# Altium PCB PCB1.PcbDoc
Units mm, origin at the board's own origin, x right, y up, seen from the top; angles counter-clockwise.
Board outline 100 x 100 mm, 2 copper layers (Top Layer, Bottom Layer); 83 components, 64 nets, 298 pads, 47 vias.
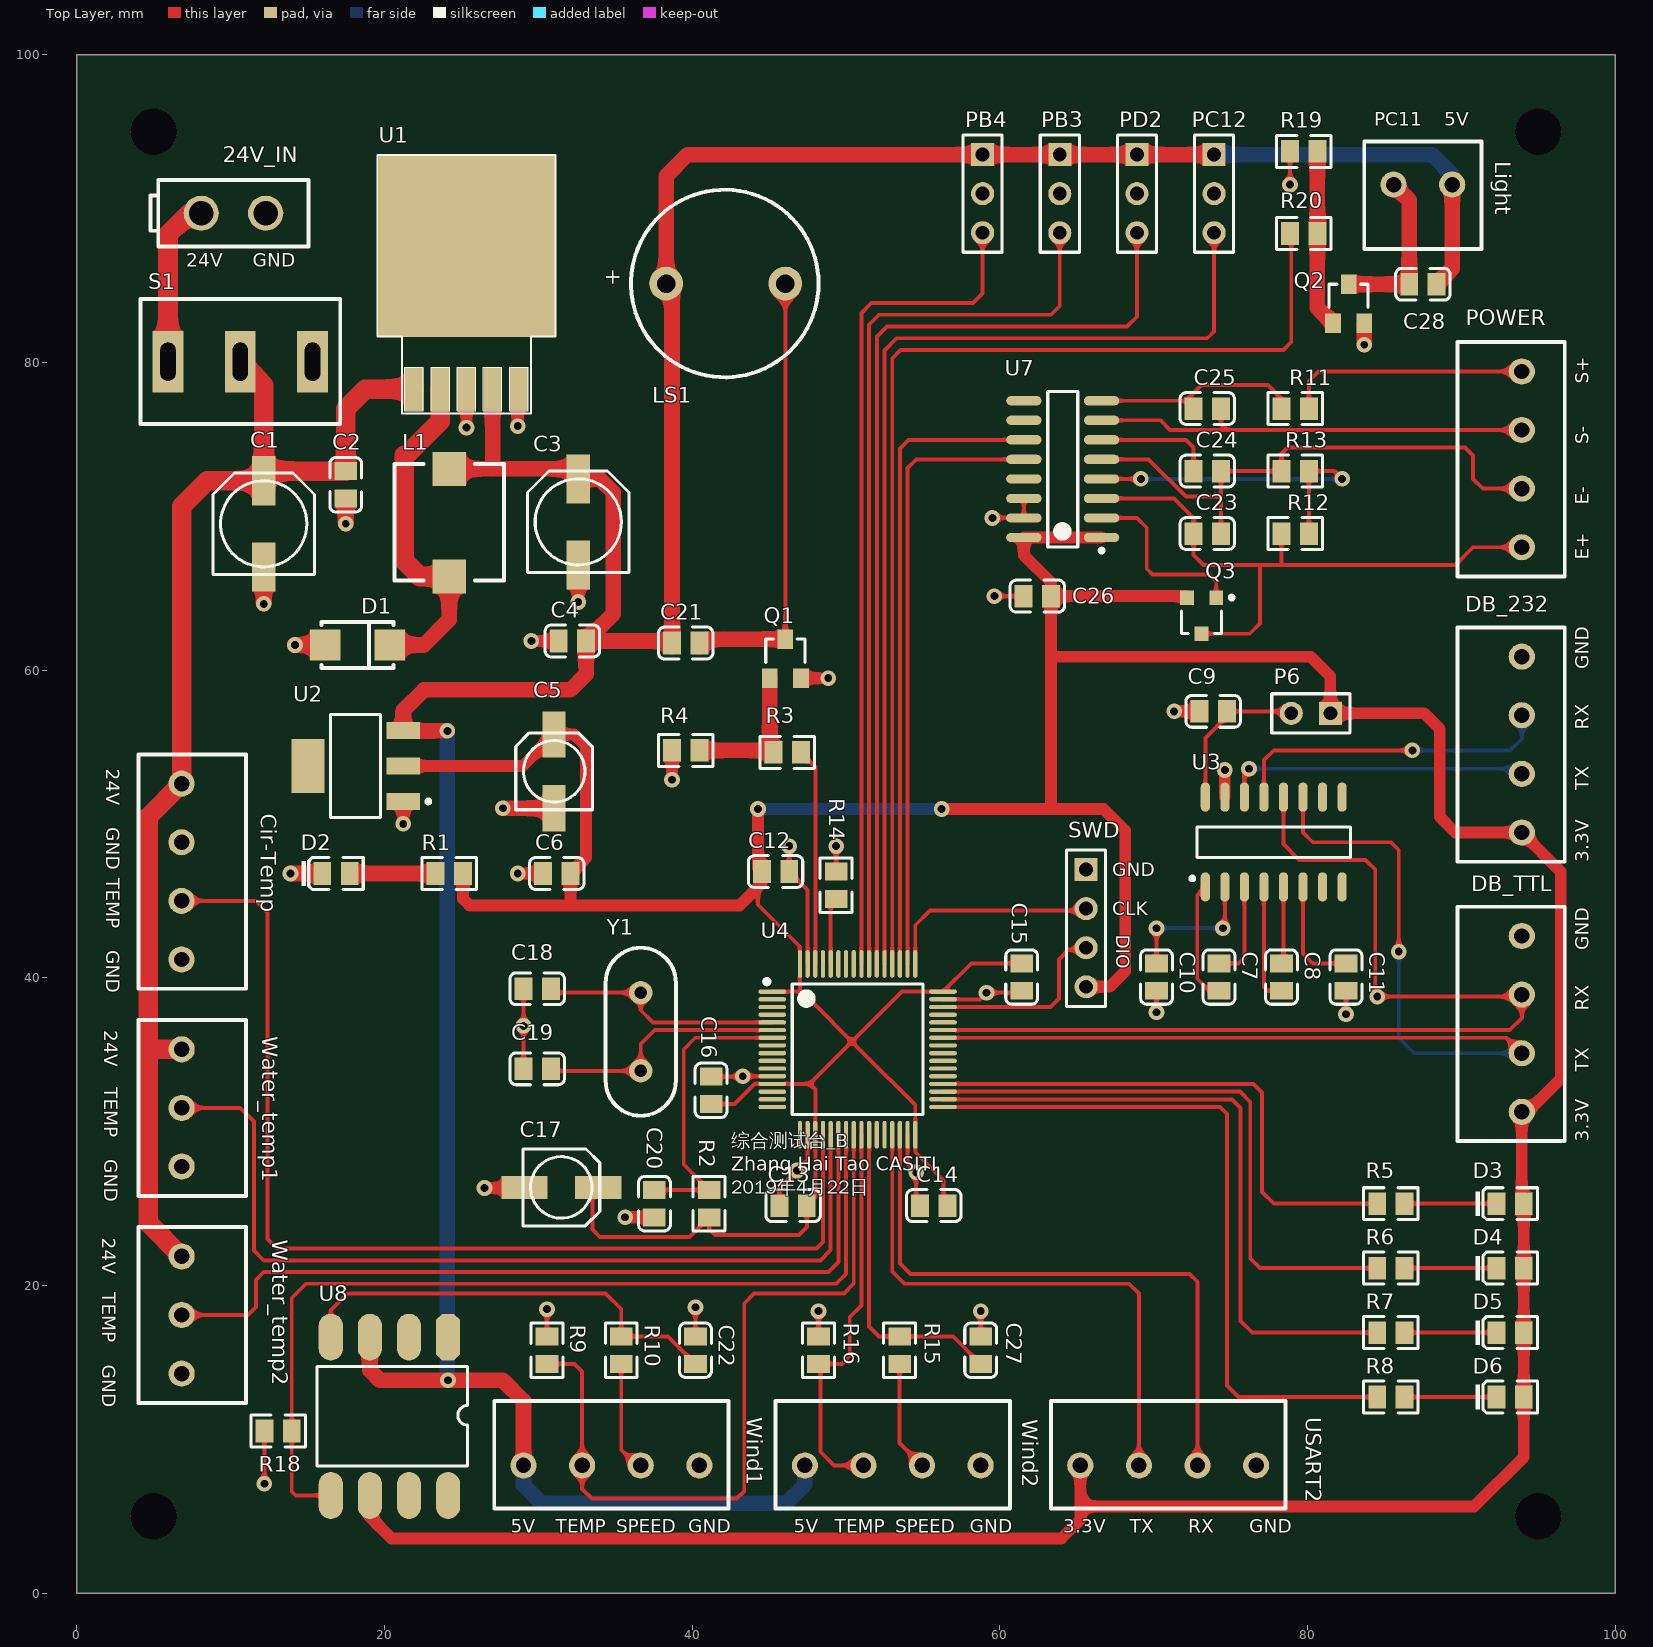
[diagram p0: Top Layer view]
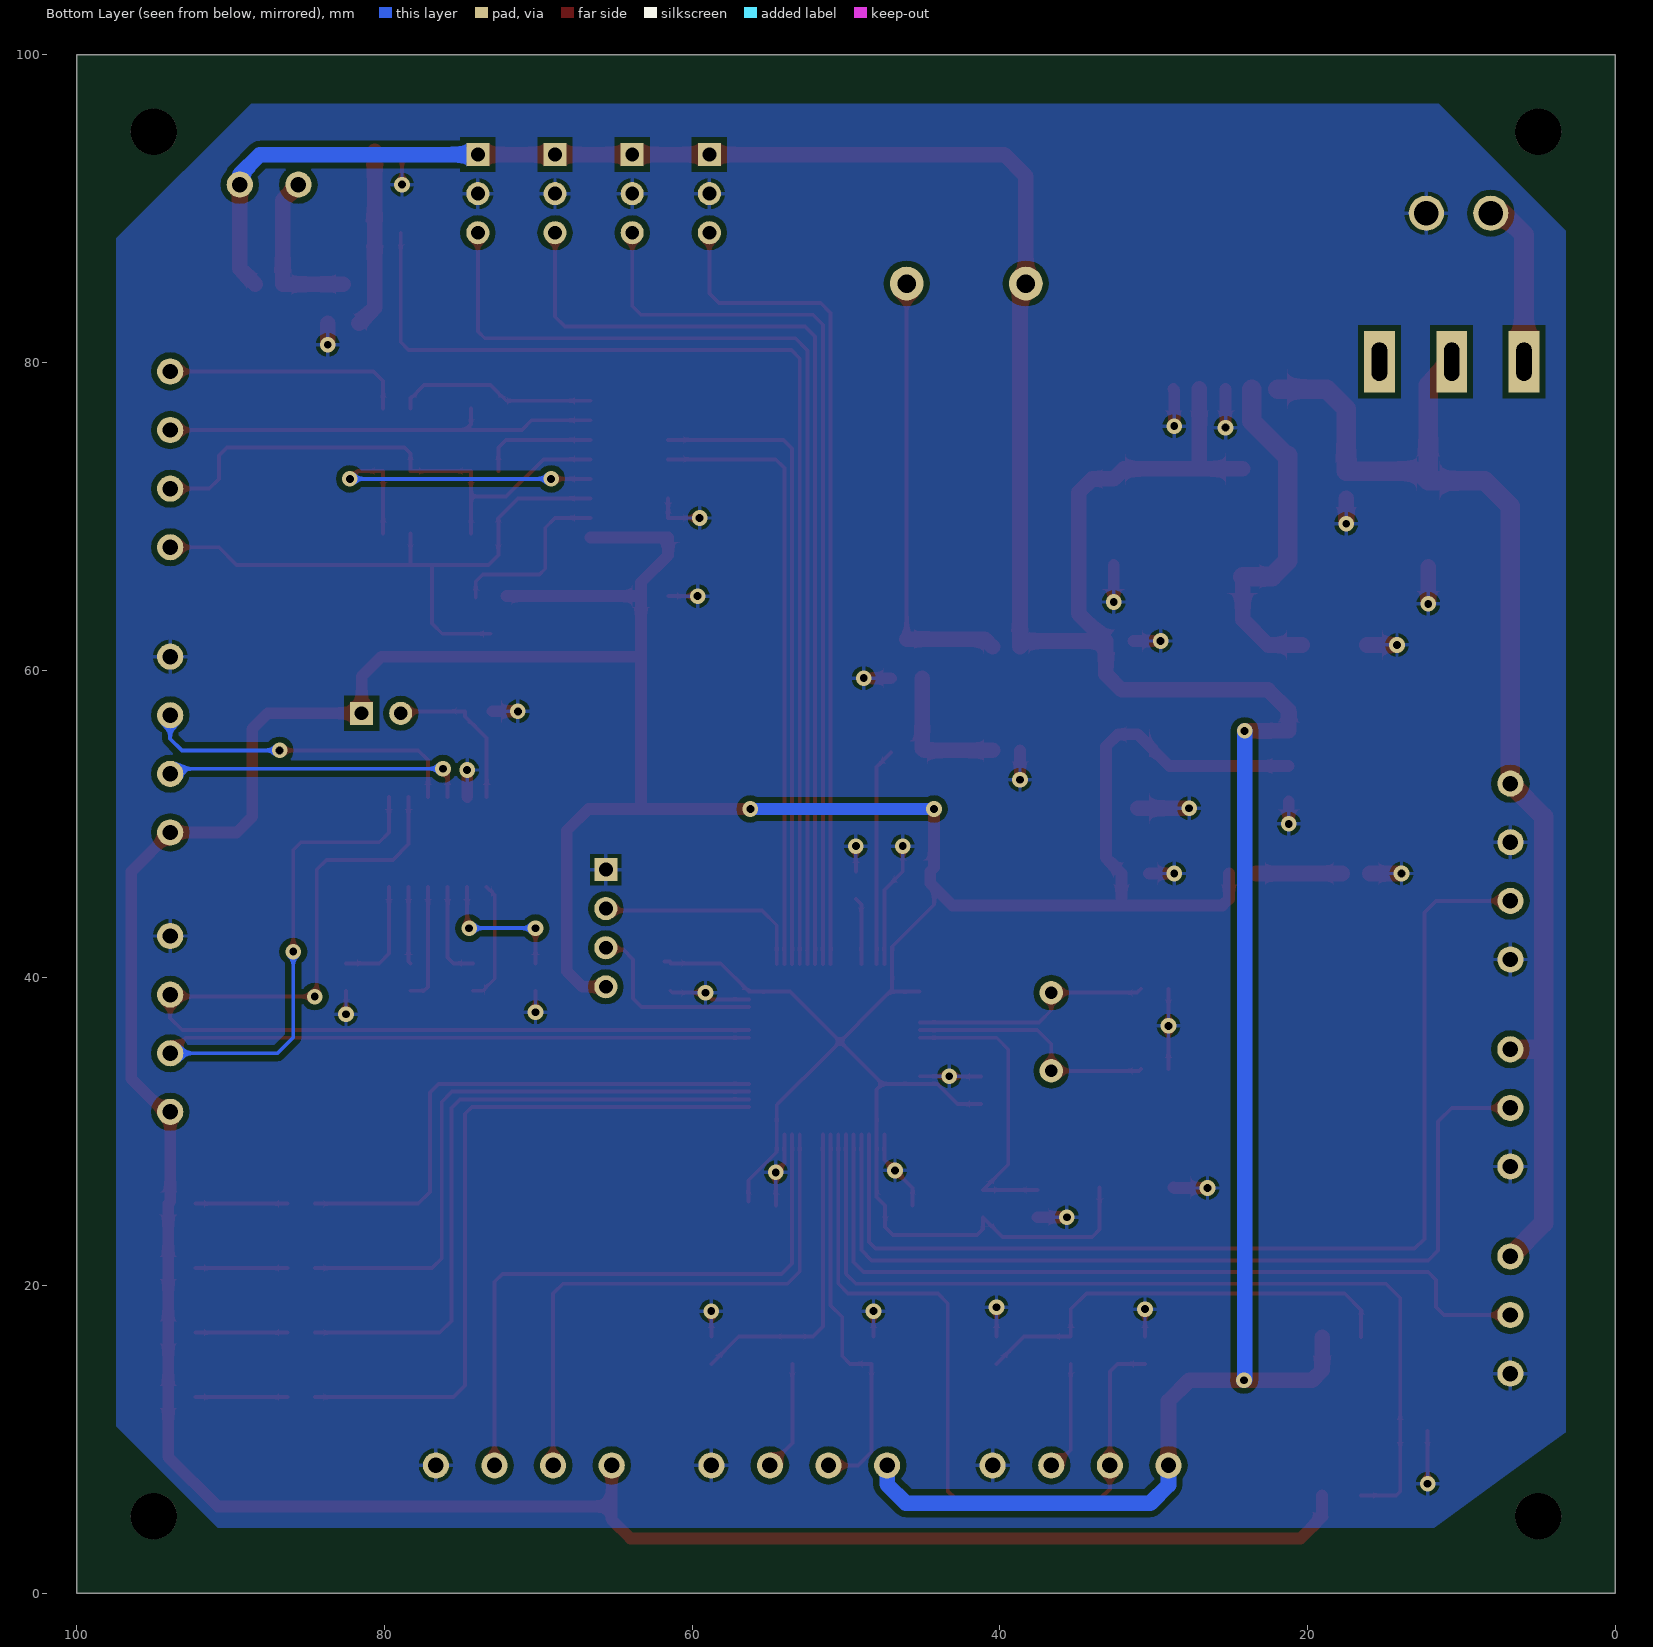
[diagram p1: Bottom Layer view, seen from below]

## Layer stack, top to bottom
Top Solder: solder mask 0.0102, Solder Resist, Dk 3.5
Top Layer: signal copper 0.0356
Dielectric 1: dielectric 0.32, FR-4, Dk 4.8
Bottom Layer: signal copper 0.0356
Bottom Solder: solder mask 0.0102, Solder Resist, Dk 3.5

## Board outline
0,0 0,100 100,100 100,0

## Design rules (kind name [scope] priority, off if disabled: settings)
Clearance [All] p1: gap=0.178
HoleSize [All] p1: absolutevalues=TRUE maxlimit=3.81 minlimit=0.025 maxpercent=80.000 minpercent=20.000
MinimumSolderMaskSliver [All] p1: minsoldermaskwidth=0.051
PolygonConnect [All] p1: connectstyle=Relief reliefconductorwidth=0.254 reliefentries=4 polygonreliefangle="90 Angle" airgapwidth=0.254
RoutingVias [All] p1: holewidth=0.381 width=0.762 viastyle="Through Hole" minholewidth=0.254 minwidth=0.635 maxholewidth=0.711 maxwidth=1.27
SilkToSilkClearance [All] p1: silktosilkclearance=0.127
SilkToSolderMaskClearance [IsPad] p1: minsilkscreentomaskgap=-0.025 clearancetoexposedcopper=FALSE
SolderMaskExpansion [All] p1: expansion=0.102
Width [All] p1: maxlimit=1.524 minlimit=0.178 preferedwidth=0.254
26 further rules are at their usual default settings.

## Components (designator, comment, footprint, x,y, rotation, side; value= is the part's Value field where it differs from the comment)
24V_IN "Header 2H" 4.2mm接插件2P 7.828,95.169 r90 top
C1 "Cap Pol" CC6.56.5 12.146,69.515 r270 top
C2 "100nF" 0805_C 17.48,72.055 r90 top
C3 "Cap Pol" CC6.56.5 32.593,69.642 r270 top
C4 "100nF" 0805_C 32.212,61.895 r0 top
C5 "Cap Pol" 贴片电容5*5.4 28.529,55.926 r270 top
C6 "100nF" 0805_C 31.195,46.782 r0 top
C7 "100nF" 0805_C 74.249,40.051 r270 top
C8 "100nF" 0805_C 78.313,40.051 r270 top
C9 "100nF" 0805_C 73.868,57.323 r0 top
C10 "100nF" 0805_C 70.185,40.051 r90 top
C11 "100nF" 0805_C 82.504,40.051 r90 top
C12 "100nF" 0805_C 45.42,46.909 r180 top
C13 "100nF" 0805_C 46.563,25.192 r0 top
C14 "100nF" 0805_C 55.707,25.192 r0 top
C15 "100nF" 0805_C 61.422,40.051 r90 top
C16 "10nF" 0805_C 41.229,32.685 r90 top
C17 "Cap Pol" 贴片电容5*5.4 33.99,28.875 r180 top
C18 "20pF" 0805_C 29.926,39.289 r180 top
C19 "20pF" 0805_C 29.926,34.082 r180 top
C20 "100nF" 0805_C 37.546,25.319 r90 top
C21 "1uF" 0805_C 39.578,61.768 r180 top
C22 "100nF" 0805_C 40.213,15.794 r270 top
C23 "1uF" 0805_C 73.487,68.88 r180 top
C24 "100nF" 0805_C 73.487,72.944 r0 top
C25 "100nF" 0805_C 73.487,77.008 r0 top
C26 "1uF" 0805_C 62.438,64.816 r180 top
C27 "100nF" 0805_C 58.755,15.794 r270 top
C28 "1uF" 0805_C 87.503,85.09 r0 top
Cir-Temp "Header 4" 3.81MM-4P 6.806,52.624 r270 top
D1 "SS54" SMA(DO-214AC)_S1 18.242,61.641 r180 top
D2 "红灯 0805" 0805_LED_S1 16.844,46.782 r0 top
D3 "红灯 0805" 0805_LED_S1 93.172,25.319 r0 top
D4 "翠绿 0805" 0805_LED_S1 93.172,21.128 r0 top
D5 "蓝灯 0805" 0805_LED_S1 93.172,16.937 r0 top
D6 "黄灯 0805" 0805_LED_S1 93.172,12.746 r0 top
DB_232 "Header 4" 3.81MM-4P 93.934,49.449 r90 top
DB_TTL "Header 4" 3.81MM-4P 93.934,31.288 r90 top
L1 "Inductor" 功率电感7*7 24.211,66.086 r90 top
Light "Header2" 3.81mm-2P 89.408,91.567 r180 top
LS1 "Bell" 有源蜂鸣器5V 38.308,85.136 r0 top
P6 "Header 2" HDR1X2 81.488,57.196 r180 top
PB3 "Header 3" HDR1X3 63.899,93.518 r270 top
PB4 "Header 3" HDR1X3 58.882,93.518 r270 top
PC12 "Header 3" HDR1X3 73.932,93.518 r270 top (schematic designator P2)
PD2 "Header 3" HDR1X3 68.915,93.518 r270 top (schematic designator P3)
POWER "Signal_In" 3.81MM-4P 93.934,67.991 r90 top (schematic designator power)
Q1 "8050" SOT-23_3C 45.039,59.482 r0 top
Q2 "8050" SOT-23_3C 81.661,82.55 r0 top
Q3 "8550" SOT23A 73.119,63.546 r180 top
R1 "330Ω" 0805_R 24.21,46.782 r0 top
R2 "10KΩ" 0805_R 41.102,25.319 r270 top
R3 "4.7KΩ" 0805_R 46.182,54.656 r180 top
R4 "10KΩ" 0805_R 39.578,54.783 r0 top
R5 "330Ω" 0805_R 85.425,25.319 r0 top
R6 "330Ω" 0805_R 85.425,21.128 r0 top
R7 "330Ω" 0805_R 85.425,16.937 r0 top
R8 "330Ω" 0805_R 85.425,12.746 r0 top
R9 "1KΩ" 0805_R 30.561,15.794 r90 top
R10 "1KΩ" 0805_R 35.387,15.794 r270 top
R11 "1.2KΩ" 0805_R 79.202,77.008 r180 top
R12 "20KΩ" 0805_R 79.202,68.88 r180 top
R13 "8.2KΩ" 0805_R 79.202,72.944 r0 top
R14 "100KΩ" 0805_R 49.357,46.02 r90 top
R15 "1KΩ" 0805_R 53.485,15.794 r270 top
R16 "1KΩ" 0805_R 48.214,15.794 r90 top
R18 "1KΩ" 0805_R 13.081,10.541 r180 top
R19 "10KΩ" 0805_R 79.756,93.726 r0 top
R20 "4.7KΩ" 0805_R 79.756,88.392 r0 top
S1 "SW-SPST" 纽子开关 5.923,80.056 r270 top
SWD "Header 4" HDR1X4 65.613,47.036 r270 top
U1 "LM2596S-5.0" TO-263-5L(D2PAK) 21.925,78.278 r0 top
U2 "AMS1117-3.3" SOT223 18.115,53.767 r90 top
U3 "MAX232AESE" L16_L 77.805,48.814 r90 top
U4 "STM32F103RCT6" LQFP-64_10x10x05P 50.754,35.352 r270 top
U7 "HX711" HX711_增加引脚长度 64.089,73.071 r180 top
U8 "TLP521_2" TLP521-2 24.13,16.002 r270 top
USART2 "Header 4" 3.81MM-4P 65.232,8.301 r0 top
Water_temp1 "Header 3" 3.81mm-3P 6.812,35.352 r270 top
Water_temp2 "Header 3" 3.81mm-3P 6.812,21.89 r270 top
Wind1 "Header 4" 3.81MM-4P 29.037,8.301 r0 top
Wind2 "Header 4" 3.81MM-4P 47.325,8.301 r0 top
Y1 "XTAL" X-HC49U 36.657,36.495 r270 top

## Footprints (in the part's own frame and the unit in brackets; to place one, negate y for a bottom-side part, rotate by r counter-clockwise, add the part's x,y. Pads: shape width x height; smd on the part's side, far side on the other; paste and mask are expansions set on the pad)
3.81mm-2P [mm]
  round 1.7 hole 1: 1(0,0) 2(3.81,0)
  silkscreen extent -1.91,-2.79 5.71,4.19
3.81mm-3P [mm]
  round 1.7 hole 1: 1(0,0) 2(3.81,0) 3(7.62,0)
  silkscreen extent -1.91,-2.8 9.53,4.2
3.81MM-4P [mm]
  round 1.7 hole 1: 1(0,0) 2(3.81,0) 3(7.62,0) 4(11.43,0)
  silkscreen extent -1.91,-2.79 13.33,4.19
4.2mm接插件2P [mil]
  round 90 hole 62.99: 1(-215,-10) 2(-215,-175)
  silkscreen extent -300,-285 -130,120
0805_C [mm]
  rect 1.16x1.47 smd: 1(-0.89,0) 2(0.89,0)
  silkscreen extent -1.77,-1.04 1.77,1.04, body extent -1,-0.62 1,0.63, height 0.77
0805_LED_S1 [mm]
  rect 1.16x1.47 smd: A(0.89,0) K(-0.89,0)
  silkscreen extent -2.24,-1.04 1.77,1.03, body extent -1.01,-0.62 1.01,0.62, height 1.1
0805_R [mm]
  rect 1.16x1.47 smd: 1(-0.89,0) 2(0.89,0)
  silkscreen extent -1.77,-1.04 1.77,1.03, body extent -1,-0.62 1,0.63, height 0.49
CC6.56.5 [mm]
  rect 3.2x1.5 smd: 1(-2.794,0) 2(2.8,0)
  silkscreen extent -3.3,-3.3 3.3,3.3
HDR1X2 [mm] "Connector; Header; 2 Position"
  rect 1.5x1.5 hole 0.9: 1(0,0)
  round 1.5 hole 0.9: 2(2.54,0)
  silkscreen extent -1.27,-1.27 3.81,1.27
HDR1X3 [mm] "Connector; Header; 3 Position"
  rect 1.5x1.5 hole 0.9: 1(0,0)
  round 1.5 hole 0.9: 2(2.54,0) 3(5.08,0)
  silkscreen extent -1.27,-1.27 6.35,1.27, body extent -1.27,-1.27 6.35,1.27, height 7.58
HDR1X4 [mm] "Connector; Header; 4 Position"
  rect 1.5x1.5 hole 0.9: 1(0,0)
  round 1.5 hole 0.9: 2(2.54,0) 3(5.08,0) 4(7.62,0)
  silkscreen extent -1.27,-1.27 8.89,1.27
HX711_增加引脚长度 [mm]
  oval 2.3x0.6 smd: 1(-2.525,4.445) 2(-2.525,3.175) 3(-2.525,1.905) 4(-2.525,0.635) 5(-2.525,-0.635) 6(-2.525,-1.905) 7(-2.525,-3.175) 8(-2.525,-4.445) 9(2.525,-4.445) 10(2.525,-3.175) 11(2.525,-1.905) 12(2.525,-0.635) 13(2.525,0.635) 14(2.525,1.905) 15(2.525,3.175) 16(2.525,4.445)
  silkscreen extent -2.65,-5.05 0.97,5.42, body extent -2.05,-5.05 2.05,5.05, height 1.6
L16_L [mm] "SOIC, 16-Leads, Body 9.9x3.9mm, Pitch 1.27mm, IPC High Density"
  oval 1.9x0.6 smd: 1(-2.905,4.445) 2(-2.905,3.175) 3(-2.905,1.905) 4(-2.905,0.635) 5(-2.905,-0.635) 6(-2.905,-1.905) 7(-2.905,-3.175) 8(-2.905,-4.445) 9(2.937,-4.445) 10(2.937,-3.175) 11(2.937,-1.905) 12(2.937,-0.635) 13(2.937,0.635) 14(2.937,1.905) 15(2.937,3.175) 16(2.937,4.445)
  silkscreen extent -2.47,-5 1,5.42, body extent -1.95,-4.95 1.95,4.95, height 1.75
LQFP-64_10x10x05P [mm]
  oval 0.28x1.8 smd mask+0.051: 1(-3.75,-5.55) 2(-3.25,-5.55) 3(-2.75,-5.55) 4(-2.25,-5.55) 5(-1.75,-5.55) 6(-1.25,-5.55) 7(-0.75,-5.55) 8(-0.25,-5.55) 9(0.25,-5.55) 10(0.75,-5.55) 11(1.25,-5.55) 12(1.75,-5.55) 13(2.25,-5.55) 14(2.75,-5.55) 15(3.25,-5.55) 16(3.75,-5.55) 33(3.75,5.55) 34(3.25,5.55) 35(2.75,5.55) 36(2.25,5.55) 37(1.75,5.55) 38(1.25,5.55) 39(0.75,5.55) 40(0.25,5.55) 41(-0.25,5.55) 42(-0.75,5.55) 43(-1.25,5.55) 44(-1.75,5.55) 45(-2.25,5.55) 46(-2.75,5.55) 47(-3.25,5.55) 48(-3.75,5.55)
  oval 1.8x0.28 smd mask+0.051: 17(5.55,-3.75) 18(5.55,-3.25) 19(5.55,-2.75) 20(5.55,-2.25) 21(5.55,-1.75) 22(5.55,-1.25) 23(5.55,-0.75) 24(5.55,-0.25) 25(5.55,0.25) 26(5.55,0.75) 27(5.55,1.25) 28(5.55,1.75) 29(5.55,2.25) 30(5.55,2.75) 31(5.55,3.25) 32(5.55,3.75) 49(-5.55,3.75) 50(-5.55,3.25) 51(-5.55,2.75) 52(-5.55,2.25) 53(-5.55,1.75) 54(-5.55,1.25) 55(-5.55,0.75) 56(-5.55,0.25) 57(-5.55,-0.25) 58(-5.55,-0.75) 59(-5.55,-1.25) 60(-5.55,-1.75) 61(-5.55,-2.25) 62(-5.55,-2.75) 63(-5.55,-3.25) 64(-5.55,-3.75)
  silkscreen extent -4.55,-6.05 4.25,4.25
SMA(DO-214AC)_S1 [mm]
  rect 2x2 smd: 1(2.1,0) 2(-2.1,0)
  silkscreen extent -2.35,-1.5 2.35,1.5
SOT23A [mm]
  rect 0.9x0.95 smd: 1(-0.95,-1.175) 2(0.95,-1.175) 3(0,1.175)
  silkscreen extent -2.07,-1.3 1.3,1.18
SOT223 [mm] "SOT-223/SC-73; 4 Leads; Body 6.7 x 7.3 mm, inc. leads (LxW max)"
  rect 1.1x2.15 smd: 1(-2.3,-3.1) 2(0,-3.1) 3(2.3,-3.1)
  rect 3.5x2.15 smd: 4(0,3.1)
  silkscreen extent -3.35,-4.85 3.35,1.63
SOT-23_3C [mil]
  rect 40x50 smd: 1(0,0) 2(80,0) 3(40,100)
  silkscreen extent -10,40 90,100
TLP521-2 [mil]
  oct 120x62 smd: 1(-25,0)
  oval 120x62 smd: 2(-25,-100) 3(-25,-200) 4(-25,-300) 5(380,-300) 6(380,-200) 7(380,-100) 8(380,0)
  silkscreen extent 50,-335 305,50
TO-263-5L(D2PAK) [mm]
  rect 1.203x2.803 smd: 1(0,0) 2(1.7,0) 3(3.4,0) 4(5.1,0) 5(6.8,0)
  rect 11.6x11.8 smd: 3(3.412,9.297)
  silkscreen extent -2.4,-1.6 9.2,15.2, body extent -1.65,-0.84 8.51,13.39, height 4.87
X-HC49U [mil]
  round 60 hole 32: 1(-100,0) 2(100,0)
  silkscreen extent -215,-90 215,90
功率电感7*7 [mm]
  rect 2.2x2.2 smd: 1(0,0) 2(7,0)
  silkscreen extent -0.27,-3.57 7.31,3.57
有源蜂鸣器5V [mm]
  round 2.2 hole 1.2: 1(0,0) 2(7.747,0)
  silkscreen extent -2.28,-6.1 9.91,6.1
纽子开关 [mm]
  rect 4x2 hole 1 slot 2.5 at 0 deg: 1(0,0) 2(0,4.7) 3(0,9.4)
  silkscreen extent -4.06,-1.8 4.06,11.2
贴片电容5*5.4 [mm]
  rect 3x1.5 smd: 1(0.1,2.5) 2(4.9,2.5)
  silkscreen extent 0,0 5,5

## Part data
24V_IN: "Header, 2-Pin, Right Angle"
C1 C3 C5 C17: "极性电解电容"
C2 C4 C6 C7 C8 C9 C10 C11 C12 C13 C14 C15 C20 C22 C24 C25 C27: library part "0805 100nF(104) 10% 50V", "贴片电容"
C16: library part "0805 10nF (103) 10% 50V", "贴片电容"
C18 C19: library part "0805 20pF (200) 5% 50V", "贴片电容"
C21 C23 C26 C28: library part "0805 1uF (105) 10% 50V", "贴片电容"
Cir-Temp DB_232 DB_TTL SWD USART2 Wind1 Wind2: "Header, 4-Pin"
D1: library part "SMA(DO-214AC) SS54", "二极管"
D2 D3: library part "0805 红灯", "发光二极管"
D4: library part "0805 翠绿", "发光二极管"
D5: library part "0805 蓝灯", "发光二极管"
D6: library part "0805 黄灯", "发光二极管"
Light: library part "Header 2", "Header, 2-Pin"
LS1: "Electrical Bell"
P6: "Header, 2-Pin"
PB3 PB4 PC12 PD2 Water_temp1 Water_temp2: "Header, 3-Pin"
POWER: library part "Header 4", "Header, 4-Pin"
Q1 Q2: library part NPN(1)
Q3: library part pnp8550
R1 R5 R6 R7 R8: library part "0805 330Ω (3300) 1%", "贴片电阻"
R2 R4 R19: library part "0805 10KΩ (1002) 1%", "贴片电阻"
R3 R20: library part "0805 4.7KΩ (4701) 1%", "贴片电阻"
R9 R10 R15 R16 R18: library part "0805 1KΩ (1001) 1%", "贴片电阻"
R11: library part "0805 1.2KΩ (1201) 1%", "贴片电阻"
R12: library part "0805 20KΩ (2002) 1%", "贴片电阻"
R13: library part "0805 8.2KΩ (8201) 1%", "贴片电阻"
R14: library part "0805 100KΩ (1003) 1%", "贴片电阻"
S1: "Single-Pole, Single-Throw Switch"
U1: "Simple Switcher Power Converter 150 kHz 3A Step Down Voltage Regulator"
U2: library part AS1117
U3: "+5V-Powered, Multichannel RS-232 Driver/Receiver"
U4: "ARM"
U7: "24 位 A/D 转 换器芯片，集成稳压电源、片内时钟振荡器等"
Y1: "晶振"

## Free pads (board coordinates)
  round 3 hole 3: 2(5,5) 2(5,95) 2(95,5) 2(95,95)

## Via types
v1: diameter 1.016, hole 0.508, Top Layer to Bottom Layer, 47 vias

## Nets (pads, with @x,y where several pads share a name; then routed paths per layer and width w, separated by ;. In a path a pad name is that pad's centre, name@x,y a point inside that pad or via, vN(x,y) a via of type N, cw(c..) or ccw(c..) an arc to the next point about the centre after c; other vN are vias at no path point)
ADC_DT: U4.50 U7.12 | length 40
  Top Layer w0.254: U4.50 54.004,73.146 54.564,73.706 U7.12
ADC_SCK: U4.51 U7.11 | length 41.8
  Top Layer w0.254: U4.51 53.504,74.424 54.056,74.976 U7.11
AGND: 24V_IN.2 C1.2 C2.1 C3.2 C4.1 C5.2 C6.1 C9.1 C10.1 C11.1 C12.1 C13.1 C14.1 C15.1 C16.2 C17.2 C18.2 C19.2 C20.1 C22.1 C26.2 C27.1 Cir-Temp.2 Cir-Temp.4 D1.1 D2.K DB_232.4 DB_TTL.4 PB3.2 PB4.2 PC12.2 PD2.2 Q1.2 Q2.2 R4.1 R9.2 R14.2 R16.2 R18.2 R19.1 SWD.1 U1.3@25.325,78.278 U1.5 U2.1 U3.15 U4.12 U4.18 U4.31 U4.47 U4.63 U7.14 U7.15 USART2.4 Water_temp1.3 Water_temp2.3 Wind1.4 Wind2.4 | length 91.7
  Top Layer w0.254: v1(12.191,7.111) R18.2 ; C19.2 v1(29.036,36.875) C18.2 ; R9.2 v1(30.561,18.461) ; C22.1 v1(40.213,18.588) ; C16.2 v1@43.26,33.575 ; v1@43.261,33.574 v1(43.289,33.602) U4.12 ; C13.1 45.673,26.334 v1(46.817,27.478) 47.504,28.165 U4.18 ; v1(46.31,48.561) C12.1 47.504,45.715 U4.63 ; R16.2 v1(48.214,18.334) ; R14.2 v1(49.357,48.56) ; U4.31 54.004,27.952 54.564,27.392 v1(54.564,27.351) 54.564,27.099 54.563,27.098 C14.1@54.563,25.192 ; U4.47 58.703,38.602 v1(59.136,39.035) 61.296,39.035 C15.1 ; C27.1 v1(58.755,18.334) ; v1(59.517,69.896) U7.15 U7.14 ; v1(59.644,64.816) C26.2 ; v1(70.185,37.765) C10.1 ; v1(78.866,91.566) R19.1 ; v1(82.504,37.638) C11.1
  Top Layer w0.762: v1(21.215,50.009) U2.1 ; v1(25.325,75.767) U1.3@25.325,78.278 ; v1(26.497,26.335) 28.669,26.335 C17.2@28.709,26.375 ; v1(28.656,46.782) C6.1 ; v1(28.656,75.865) 28.656,78.209 U1.5 ; v1(29.545,61.895) C4.1 ; v1(32.593,64.435) C3.2 ; v1(35.642,24.429) C20.1 ; v1(38.688,52.879) R4.1 ; Q1.2 v1(48.849,59.482) ; v1(71.328,57.323) C9.1 ; U3.15 v1(74.63,53.513)
  Top Layer w1.016: v1(12.146,64.308) C1.2 ; v1(13.889,46.782) D2.K ; v1(14.178,61.641) D1.1 ; v1(17.48,69.515) C2.1 ; v1(27.693,51.026) C5.2 ; v1(83.693,81.153) Q2.2
  Bottom Layer w0.254: v1(59.136,39.035) v1@59.263,38.908
BASE: Q3.1 U7.2 | length 11.8
  Top Layer w0.254: U7.2 68.915,69.896 69.55,69.261 69.55,66.594 69.931,66.213 73.614,66.213 74.069,65.758 Q3.1
BUZZ_OUT: R3.1 U4.62 | length 14.1
  Top Layer w0.254: R3.1 48.004,53.724 U4.62
CIR-TEMP: Cir-Temp.3 U4.20 | length 70.6
  Top Layer w0.254: Cir-Temp.3 11.638,45.004 12.4,44.242 12.4,23.033 13.035,22.398 48.087,22.398 48.504,22.815 U4.20
DB_232RX: DB_232.3 U3.13 | length 21.3
  Top Layer w0.254: U3.13 77.17,54.148 77.805,54.783 v1(86.822,54.783)
  Bottom Layer w0.254: v1(86.822,54.783) 93.172,54.783 93.934,55.545 DB_232.3
DB_232TX: DB_232.2 U3.14 | length 19.8
  Top Layer w0.254: U3.14 75.9,53.294 v1(76.2,53.594)
  Bottom Layer w0.254: v1(76.2,53.594) 93.599,53.594 DB_232.2
DB_RX: DB_TTL.3 U3.12 U4.43 | length 67
  Top Layer w0.254: U4.43 93.152,36.602 93.934,37.384 DB_TTL.3 93.807,38.781 v1(84.536,38.781) 84.409,38.908 84.409,47.036 83.774,47.671 79.456,47.671 78.44,48.687 U3.12
DB_TX: DB_TTL.2 U3.11 U4.42 | length 67.7
  Top Layer w0.254: U4.42 92.93,36.102 DB_TTL.2 ; U3.11 79.71,49.449 80.345,48.814 85.425,48.814 85.933,48.306 v1(85.933,41.702)
  Bottom Layer w0.254: v1(85.933,41.702) 85.933,36.114 86.949,35.098 DB_TTL.2
E+: C23.2 POWER.1 Q3.3 R12.2 U7.3 | length 40.8
  Top Layer w0.254: U7.3 71.319,71.166 72.597,69.888 C23.2 72.597,67.484 73.233,66.848 89.616,66.848 90.759,67.991 POWER.1 ; Q3.3 76.249,62.371 76.916,63.038 76.916,66.802 ; 78.312,66.895 R12.2
E-: C23.1 C24.2 POWER.2 R13.1 U7.5 | length 35.7
  Top Layer w0.254: U7.5 69.677,73.706 72.09,71.293 74.377,71.293 ; C23.1 74.377,71.293 ; POWER.2 91.394,71.801 90.759,72.436 90.759,73.96 90.251,74.468 78.694,74.468 78.312,74.086 R13.1 C24.2 74.377,71.293
LED1: R5.1 U4.36 | length 35.2
  Top Layer w0.254: U4.36 76.499,33.102 77.043,32.558 77.043,26.081 77.805,25.319 R5.1
LED2: R6.1 U4.35 | length 38.9
  Top Layer w0.254: U4.35 75.602,32.602 76.281,31.923 76.281,21.763 76.916,21.128 R6.1
LED3: R7.1 U4.34 | length 42.6
  Top Layer w0.254: U4.34 75.086,32.102 75.646,31.542 75.646,17.699 76.408,16.937 R7.1
LED4: R8.1 U4.33 | length 46.4
  Top Layer w0.254: U4.33 74.316,31.602 74.757,31.161 74.757,13.508 75.519,12.746 R8.1
NetC7_1: C7.1 U3.3 | length 6.4
  Top Layer w0.254: C7.1 75.52,40.941 75.9,41.321 U3.3
NetC7_2: C7.2 U3.1 | length 7.9
  Top Layer w0.254: U3.1 72.836,45.385 72.836,39.94 73.615,39.161 C7.2
NetC8_1: C8.1 U3.5 | length 5
  Top Layer w0.254: C8.1 78.44,41.068 U3.5
NetC8_2: C8.2 U3.4 | length 7.7
  Top Layer w0.254: U3.4 77.17,39.416 77.425,39.161 C8.2
NetC9_2: C9.2 P6.2 U3.16 | length 10.4
  Top Layer w0.254: U3.16 73.36,55.58 74.758,56.978 C9.2 78.821,57.323 P6.2
NetC10_2: C10.2 U3.2 | length 9.3
  Top Layer w0.254: C10.2 v1(70.185,43.226) ; v1(74.503,43.226) 74.63,43.353 U3.2
  Bottom Layer w0.254: v1(70.185,43.226) v1(74.503,43.226)
NetC11_2: C11.2 U3.6 | length 7.4
  Top Layer w0.254: U3.6 79.71,41.575 80.344,40.941 C11.2
NetC21_1: C21.1 LS1.2 Q1.3 | length 28.9
  Top Layer w0.254: Q1.3 LS1.2
  Top Layer w1.016: C21.1@40.468,61.514 40.976,62.022 Q1.3
NetC22_2: C22.2 R10.1 U8.4 | length 28.9
  Top Layer w0.254: U8.4 16.51,18.415 17.577,19.482 34.366,19.482 35.387,18.461 R10.1 38.433,16.684 C22.2
NetC24_1: C24.1 U7.6 | length 7.7
  Top Layer w0.254: U7.6 72.09,74.976 72.597,74.469 C24.1
NetC25_1: C25.1 R11.2 U7.8 | length 13.1
  Top Layer w0.254: U7.8 72.089,77.516 73.106,78.533 77.423,78.533 78.312,77.644 R11.2
NetC28_1: C28.1 Light.2 Q2.3 | length 10.8
  Top Layer w1.016: Q2.3 C28.1 86.613,90.552 Light.2
NetD1_2: D1.2 L1.1 U1.2 | length 22.9
  Top Layer w1.016: D1.2 22.56,61.641 24.211,63.292 L1.1
  Top Layer w1.27: U1.2 23.625,76.19 21.395,73.96 21.29,73.96 21.29,67.102 22.306,66.086 L1.1
NetD2_A: D2.A R1.1 | length 5.6
  Top Layer w1.016: D2.A R1.1
NetD3_K: D3.K R5.2 | length 6
  Top Layer w0.254: R5.2 D3.K
NetD4_K: D4.K R6.2 | length 6
  Top Layer w0.254: R6.2 D4.K
NetD5_K: D5.K R7.2 | length 6
  Top Layer w0.254: R7.2 D5.K
NetD6_K: D6.K R8.2 | length 6
  Top Layer w0.254: R8.2 D6.K
NetQ1_1: Q1.1 R3.2 R4.2 | length 9.2
  Top Layer w1.016: R4.2 44.913,54.783 45.039,54.909 Q1.1
NetQ2_1: Q2.1 R19.2 R20.2 | length 11.6
  Top Layer w1.016: R19.2 R20.2 80.646,83.565 Q2.1
NetR10_2: R10.2 Wind1.3 | length 7.3
  Top Layer w0.254: R10.2 35.387,9.317 36.403,8.301 Wind1.3
NetR12_1: R12.1 R13.2 U7.4 | length 22.1
  Top Layer w0.254: U7.4 v1(69.169,72.436) ; R12.1 R13.2 81.742,72.944 v1(82.25,72.436)
  Bottom Layer w0.254: v1(69.169,72.436) v1(82.25,72.436)
NetR14_1: R14.1 U4.60 | length 4.4
  Top Layer w0.254: U4.60 49.004,44.777 R14.1
NetR15_2: R15.2 Wind2.3 | length 7.2
  Top Layer w0.254: R15.2 53.485,9.761 Wind2.3
NRST: C20.2 R2.1 U4.7 | length 19.4
  Top Layer w0.254: C20.2 R2.1 39.451,27.86 39.451,35.352 40.201,36.102 U4.7
PB3: PB3.3 U4.55 | length 59.2
  Top Layer w0.254: U4.55 51.504,82.457 52.151,83.104 63.327,83.104 63.899,83.675 PB3.3
PB4: PB4.3 U4.56 | length 54.7
  Top Layer w0.254: U4.56 51.004,83.227 51.643,83.866 58.247,83.866 58.882,84.501 PB4.3
PC11: R20.1 U4.52 | length 72.9
  Top Layer w0.254: U4.52 53.004,80.274 53.548,80.818 78.44,80.818 78.948,81.326 R20.1@78.948,88.438
PC12: PC12.3 U4.53 | length 68.2
  Top Layer w0.254: U4.53 52.504,80.79 53.294,81.58 73.487,81.58 73.932,82.024 PC12.3
PD2: PD2.3 U4.54 | length 63.7
  Top Layer w0.254: U4.54 52.004,81.687 52.659,82.342 68.28,82.342 68.915,82.977 PD2.3
RXD2: U4.30 USART2.3 | length 40.2
  Top Layer w0.254: U4.30 53.504,21.426 54.183,20.747 72.344,20.747 72.852,20.239 USART2.3
S+: POWER.4 R11.1 | length 15.9
  Top Layer w0.254: R11.1 80.092,78.787 80.726,79.421 90.759,79.421 POWER.4
S-: C25.2 POWER.3 U7.7 | length 29.1
  Top Layer w0.254: U7.7 70.439,76.246 71.074,75.611 74.758,75.611 ; C25.2 74.377,75.992 74.758,75.611 ; POWER.3 91.013,75.611 90.759,75.611 74.758,75.611
SWCLK: SWD.2 U4.49 | length 14
  Top Layer w0.254: U4.49 54.504,43.42 55.453,44.369 SWD.2@65.613,44.369
SWDIO: SWD.3 U4.46 | length 12.3
  Top Layer w0.254: U4.46 63.283,38.102 63.835,38.654 63.835,41.194 64.47,41.829 SWD.3@65.613,41.829
TXD2: U4.29 USART2.2 | length 36.7
  Top Layer w0.254: U4.29 53.004,20.91 53.802,20.112 68.407,20.112 69.042,19.477 USART2.2
VCC3V3: C5.1 C6.2 C12.2 C13.2 C14.2 C15.2 C16.1 C17.1 C26.1 D3.A D4.A D5.A D6.A DB_232.1 DB_TTL.1 P6.1 Q3.2 R1.2 R2.2 SWD.4 U2.2 U4.1 U4.13 U4.19 U4.32 U4.48 U4.64 U7.1 U7.16 U8.6 USART2.1 | length 365
  Top Layer w0.254: C17.1@33.509,26.375 33.509,23.641 33.99,23.16 39.833,23.16 R2.2 41.102,23.668 41.483,23.287 46.944,23.287 47.453,23.796 C13.2 48.004,25.743 U4.19 48.004,32.729 47.631,33.102 ; C16.1 42.752,31.795 44.059,33.102 U4.13 47.631,33.102 ; 44.276,45.892 44.276,44.751 47.004,42.023 U4.64 47.004,39.229 47.131,39.102 ; C12.2@44.276,46.909 C12.2@44.276,47.163 ; U4.1 47.131,39.102 ; C14.2@56.342,25.445 56.342,26.843 54.504,28.681 U4.32 54.504,31.729 54.411,31.822 51.181,35.052 47.131,39.102 ; C15.2 58.143,40.941 U4.48 53.631,39.102 47.631,33.102 ; C15.2@61.423,41.068 C15.2@61.803,41.068
  Top Layer w0.762: U8.6 19.05,4.953 20.447,3.556 64.008,3.556 65.232,4.78 65.232,5.634 ; U2.2 28.97,53.767 C5.1 32.312,55.826 33.101,55.037 33.101,47.798 C6.2 32.085,44.785 ; R1.2 25.1,45.131 25.527,44.704 43.088,44.704 44.276,45.892 44.53,46.146 C12.2 44.277,47.162 v1(44.277,50.973) ; v1(56.215,50.973) 63.5,50.973 ; USART2.1 65.232,5.634 ; SWD.4 67.137,39.416 68.153,40.432 68.153,49.576 66.756,50.973 63.5,50.973 ; U7.1 U7.16 61.564,67.468 63.328,65.704 C26.1 ; Q3.2@72.074,64.816 C26.1 ; 63.328,60.833 63.374,60.879 80.218,60.879 81.488,59.609 P6.1 87.584,57.196 88.6,56.18 88.6,50.465 89.616,49.449 DB_232.1 96.474,46.909 96.474,33.447 94.315,31.288 DB_TTL.1 93.934,25.447 D3.A D4.A D5.A D6.A 94.062,8.845 90.851,5.634 65.232,5.634 ; 63.328,60.833 C26.1 ; 63.328,60.833 63.328,51.145 63.5,50.973
  Bottom Layer w0.762: v1(44.277,50.973) v1(56.215,50.973)
VCC5V: C3.1 C4.2 C21.2 C28.2 L1.2 Light.1 LS1.1 PB3.1 PB4.1 PC12.1 PD2.1 U1.4 U2.3 U8.3 Wind1.1 Wind2.1 | length 223.8
  Top Layer w1.016: U8.3 19.05,14.478 19.685,13.843 v1(24.13,13.843) 27.686,13.843 29.037,12.492 Wind1.1 ; v1(24.084,56.053) 21.229,56.053 U2.3 21.215,57.375 22.56,58.72 32.085,58.72 33.102,59.737 C4.2 ; L1.2 27.051,73.086 ; U1.4 27.025,73.112 27.051,73.086 ; C21.2 38.688,84.756 LS1.1 38.308,92.121 39.705,93.518 PB4.1 PB3.1 PD2.1 PC12.1 ; C28.2 89.408,86.105 Light.1 ; 27.051,73.086 31.943,73.086 C3.1 33.99,72.436 34.879,71.547 34.879,63.672 C4.2 ; C4.2 C21.2@38.307,61.895 ; C21.2@38.307,61.895 38.688,61.514 C21.2@38.307,61.895
  Bottom Layer w1.016: v1(24.084,56.053) 24.084,13.889 v1(24.13,13.843) ; Wind1.1 29.037,7.031 30.226,5.842 46.101,5.842 47.325,7.066 Wind2.1 ; PC12.1 88.092,93.518 89.408,92.202 Light.1
VCC24V: C1.1 C2.2 Cir-Temp.1 S1.2 U1.1 Water_temp1.1 Water_temp2.1 | length 81.8
  Top Layer w1.27: Water_temp2.1 4.653,24.049 4.653,35.306 ; Water_temp1.1 4.699,35.352 4.653,35.306 ; S1.2 12.146,78.533 C1.1 ; U1.1 18.75,78.278 17.48,77.008 C2.2 12.782,72.945 C1.1 ; 4.653,35.306 4.653,50.471 Cir-Temp.1 6.806,70.652 8.463,72.309 C1.1
VCC24V_IN: 24V_IN.1 S1.1 | length 11
  Top Layer w1.27: S1.1 5.923,88.311 7.32,89.708 24V_IN.1
WATER-TEMP1: U4.21 Water_temp1.2 | length 59
  Top Layer w0.254: Water_temp1.2 10.622,31.542 11.511,30.653 11.511,22.271 12.146,21.636 48.341,21.636 49.004,22.299 U4.21
WATER-TEMP2: U4.22 Water_temp2.2 | length 53.4
  Top Layer w0.254: Water_temp2.2 11.13,18.08 11.638,18.588 11.638,20.366 12.146,20.874 48.849,20.874 49.504,21.529 U4.22
WIND_SPEED1: R18.1 U4.23 U8.5 | length 60.9
  Top Layer w0.254: U8.5 14.226,6.35 13.971,6.605 R18.1 13.971,19.178 14.905,20.112 49.357,20.112 50.004,20.759 U4.23
WIND_SPEED2: C27.2 R15.1 U4.26 | length 20.7
  Top Layer w0.254: U4.26 51.504,17.33 52.15,16.684 R15.1 56.975,16.684 C27.2
WIND_TEMP1: R9.1 U4.24 Wind1.2 | length 50.7
  Top Layer w0.254: R9.1 32.34,14.904 32.847,14.397 Wind1.2 32.847,6.777 33.482,6.142 42.88,6.142 43.388,6.65 43.388,18.842 44.023,19.477 49.865,19.477 50.504,20.116 U4.24
WIND_TEMP2: R16.1 U4.25 Wind2.2 | length 25.7
  Top Layer w0.254: U4.25 51.004,18.711 50.246,17.953 50.246,15.413 49.737,14.904 48.341,14.904 48.341,9.19 49.23,8.301 Wind2.2
XIN: C18.1 U4.5 Y1.1 | length 16
  Top Layer w0.254: C18.1 31.07,39.035 Y1.1 36.657,37.892 37.447,37.102 U4.5
XOUT: C19.1 U4.6 Y1.2 | length 16.6
  Top Layer w0.254: C19.1 30.943,33.955 Y1.2 36.657,35.693 37.566,36.602 U4.6
pads on no net: S1.3 U1.3@25.337,87.574 U2.4 U3.7 U3.8 U3.9 U3.10 U4.2 U4.3 U4.4 U4.8 U4.9 U4.10 U4.11 U4.14 U4.15 U4.16 U4.17 U4.27 U4.28 U4.37 U4.38 U4.39 U4.40 U4.41 U4.44 U4.45 U4.57 U4.58 U4.59 U4.61 U7.9 U7.10 U7.13 U8.1 U8.2 U8.7 U8.8

## Polygon pours and split planes (outlines as drawn)
AGND on Bottom Layer "NONET_L-01_P-001" (solid, remove dead copper, pour order 3): 10.056,96.833 85.24,96.833 88.669,96.833 97.432,88.07 97.432,82.482 97.432,10.854 90.828,4.25 11.759,4.25 6.455,8.106 3.198,10.473 3.198,11.362 3.198,50.097 3.198,88.578 8.85,94.229 11.453,96.833 12.469,96.833

## Silkscreen, mask and mechanical layers (free items; w line width, h text height)
Top Overlay:
  text "PC11" at 84.328,95.377 h0.89
  text "5V" at 88.9,95.377 h0.89
  text "24V" at 7.112,86.233 h0.89
  text "GND" at 11.43,86.233 h0.89
  text "+" at 35.306,84.963 h1.02 r90
  text "S+" at 98.298,78.613 h0.89 r90
  text "S-" at 98.298,74.676 h0.89 r90
  text "E-" at 98.298,70.739 h0.89 r90
  text "E+" at 98.298,67.183 h0.89 r90
  text "GND" at 98.298,60.071 h0.89 r90
  text "RX" at 98.298,56.134 h0.89 r90
  text "24V" at 1.905,53.594 h0.89 r270
  text "TX" at 98.298,52.197 h0.89 r90
  text "GND" at 1.905,49.784 h0.89 r270
  text "3.3V" at 98.298,47.498 h0.89 r90
  text "GND" at 67.31,46.609 h0.89
  text "TEMP" at 1.905,46.482 h0.89 r270
  text "CLK" at 67.31,44.069 h0.89
  text "DIO" at 67.564,42.799 h0.89 r270
  text "GND" at 1.905,41.783 h0.89 r270
  text "GND" at 98.298,41.783 h0.89 r90
  text "RX" at 98.298,37.846 h0.89 r90
  text "24V" at 1.778,36.576 h0.89 r270
  text "TX" at 98.298,33.909 h0.89 r90
  text "TEMP" at 1.778,32.893 h0.89 r270
  text "3.3V" at 98.298,29.337 h0.89 r90
  text "GND" at 1.778,28.194 h0.89 r270
  text "综合测试台_B / Zhang Hai Tao CASITI / 2019年4月22日" at 42.545,25.654 h1.52
  text "24V" at 1.651,23.114 h0.89 r270
  text "TEMP" at 1.651,19.558 h0.89 r270
  text "GND" at 1.651,14.859 h0.89 r270
  text "5V" at 28.194,3.937 h0.89
  text "TEMP" at 31.115,3.937 h0.89
  text "SPEED" at 35.052,3.937 h0.89
  text "GND" at 39.751,3.937 h0.89
  text "5V" at 46.609,3.937 h0.89
  text "TEMP" at 49.276,3.937 h0.89
  text "SPEED" at 53.213,3.937 h0.89
  text "GND" at 58.039,3.937 h0.89
  text "3.3V" at 64.135,3.937 h0.89
  text "TX" at 68.453,3.937 h0.89
  text "RX" at 72.263,3.937 h0.89
  text "GND" at 76.2,3.937 h0.89
Mechanical 1:
  lines w0.508: 0,0 0,96.266
  lines w1.2: 0,0 100,0 100,100 0,100 0,0
  text "100mm" at 103.378,47.625 h1.02 r90
  text "100mm" at 42.545,-2.667 h1.02